# Altium PCB PCB3.PcbDoc (part 2 of 5)
Units mil, origin at the board's own origin, x right, y up, seen from the top; angles counter-clockwise.
Board outline 9836.17 x 5490 mil, 4 copper layers (Top Layer, Int1 (GND), Int2 (PWR), Bottom Layer), stack 53.912 mil thick; 236 components, 108 nets, 2793 pads, 569 vias.
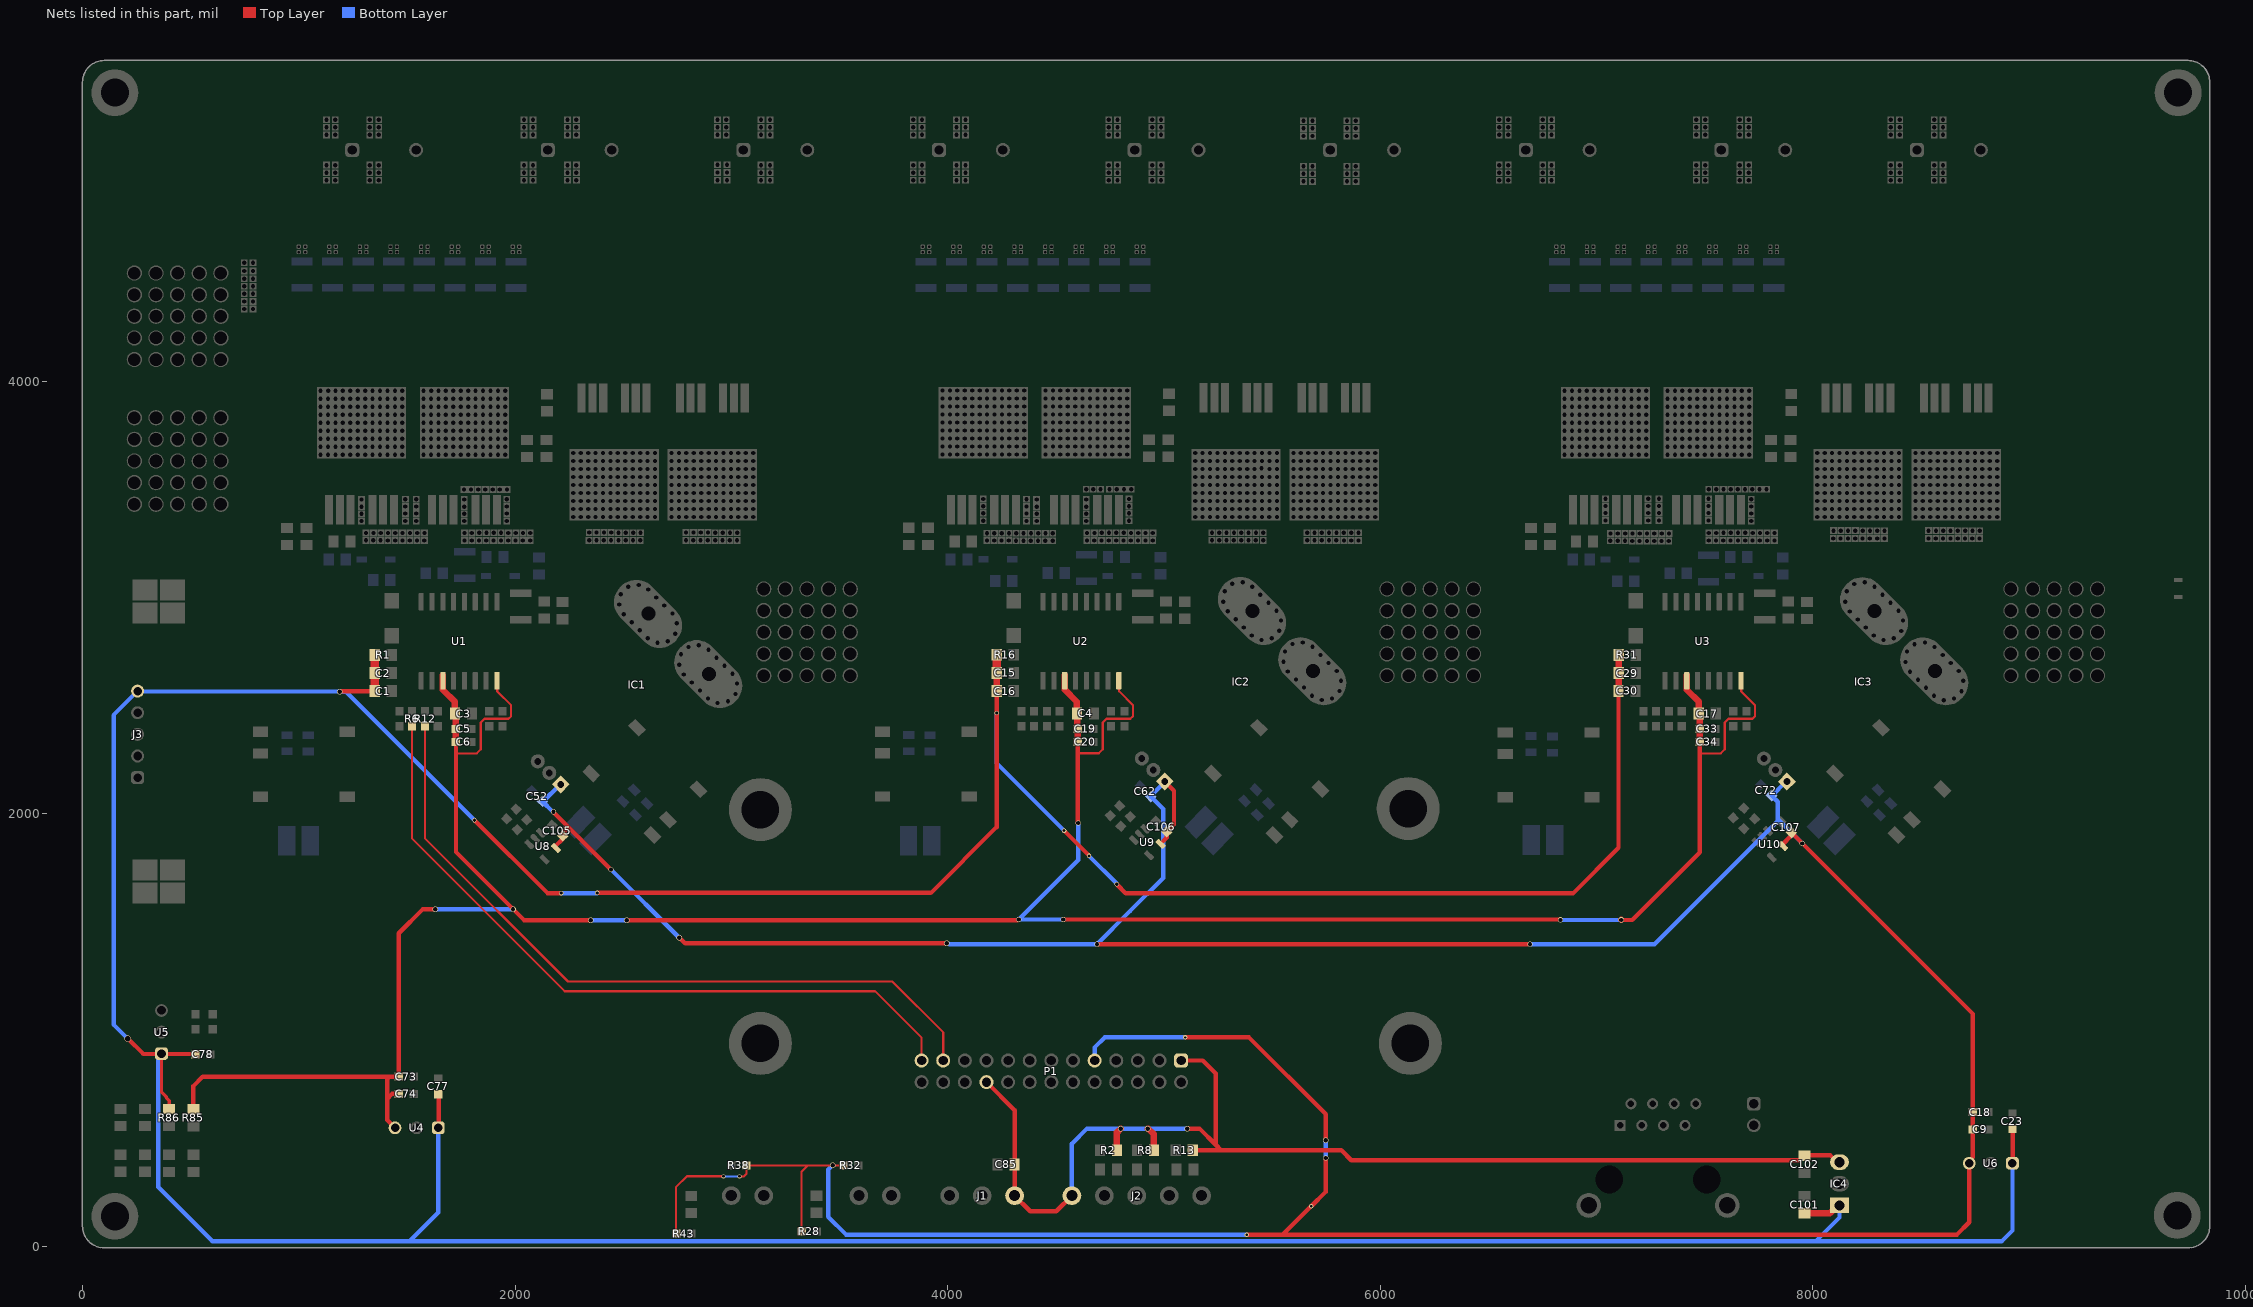
[diagram p4: the nets of this part, all layers, seen from the top]

## Free pads (board coordinates)
  rrect50% 19.68x19.68 hole 11.81 mask+4: 2(1000,4598) 2(1000,4623) 2(1030,4598) 2(1030,4623) 2(1141.43,4598) 2(1141.43,4623) 2(1171.43,4598) 2(1171.43,4623) 2(1282.86,4598) 2(1282.86,4623) 2(1312.86,4598) 2(1312.86,4623) 2(1424.29,4598) 2(1424.29,4623) 2(1454.29,4598) 2(1454.29,4623) 2(1565.71,4598) 2(1565.71,4623) 2(1595.71,4598) 2(1595.71,4623) 2(1707.14,4598) 2(1707.14,4623) 2(1737.14,4598) 2(1737.14,4623) 2(1848.57,4598) 2(1848.57,4623) 2(1878.57,4598) 2(1878.57,4623) 2(1990,4598) 2(1990,4623) 2(2020,4598) 2(2020,4623) 2(3885,4598) 2(3885,4623) 2(3915,4598) 2(3915,4623) 2(4026.43,4598) 2(4026.43,4623) 2(4056.43,4598) 2(4056.43,4623) 2(4167.86,4598) 2(4167.86,4623) 2(4197.86,4598) 2(4197.86,4623) 2(4309.29,4598) 2(4309.29,4623) 2(4339.29,4598) 2(4339.29,4623) 2(4450.71,4598) 2(4450.71,4623) 2(4480.71,4598) 2(4480.71,4623) 2(4592.14,4598) 2(4592.14,4623) 2(4622.14,4598) 2(4622.14,4623) 2(4733.57,4598) 2(4733.57,4623) 2(4763.57,4598) 2(4763.57,4623) 2(4875,4598) 2(4875,4623) 2(4905,4598) 2(4905,4623) 2(6815,4598) 2(6815,4623) 2(6845,4598) 2(6845,4623) 2(6956.43,4598) 2(6956.43,4623) 2(6986.43,4598) 2(6986.43,4623) 2(7097.86,4598) 2(7097.86,4623) 2(7127.86,4598) 2(7127.86,4623) 2(7239.29,4598) 2(7239.29,4623) 2(7269.29,4598) 2(7269.29,4623) 2(7380.71,4598) 2(7380.71,4623) 2(7410.71,4598) 2(7410.71,4623) 2(7522.14,4598) 2(7522.14,4623) 2(7552.14,4598) 2(7552.14,4623) 2(7663.57,4598) 2(7663.57,4623) 2(7693.57,4598) 2(7693.57,4623) 2(7805,4598) 2(7805,4623) 2(7835,4598) 2(7835,4623)
  rect 31.5x31.5 hole 19.68: 3(748,4335) 3(748,4370) 3(748,4405) 3(748,4440) 3(748,4475) 3(748,4510) 3(748,4549) 3(789,4335) 3(789,4370) 3(789,4405) 3(789,4440) 3(789,4475) 3(789,4510) 3(789,4549) 3(1101,3661) 3(1101,3698) 3(1101,3735) 3(1101,3772) 3(1101,3809) 3(1101,3846) 3(1101,3883) 3(1101,3920) 3(1128,4930) 3(1128,4965) 3(1128,5000) 3(1128,5140) 3(1128,5175) 3(1128,5210) 3(1135.36,3661) 3(1135.36,3698) 3(1135.36,3735) 3(1135.36,3772) 3(1135.36,3809) 3(1135.36,3846) 3(1135.36,3883) 3(1135.36,3920) 3(1136,3957) 3(1169,4930) 3(1169,4965) 3(1169,5000) 3(1169,5140) 3(1169,5175) 3(1169,5210) 3(1169.73,3661) 3(1169.73,3698) 3(1169.73,3735) 3(1169.73,3772) 3(1169.73,3809) 3(1169.73,3846) 3(1169.73,3883) 3(1169.73,3920) 3(1169.73,3957) 3(1204.09,3661) 3(1204.09,3698) 3(1204.09,3735) 3(1204.09,3772) 3(1204.09,3809) 3(1204.09,3846) 3(1204.09,3883) 3(1204.09,3920) 3(1204.09,3957) 3(1238.45,3661) 3(1238.45,3698) 3(1238.45,3735) 3(1238.45,3772) 3(1238.45,3809) 3(1238.45,3846) 3(1238.45,3883) 3(1238.45,3920) 3(1238.45,3957) 3(1272.82,3661) 3(1272.82,3698) 3(1272.82,3735) 3(1272.82,3772) 3(1272.82,3809) 3(1272.82,3846) 3(1272.82,3883) 3(1272.82,3920) 3(1272.82,3957) 3(1307.18,3661) 3(1307.18,3698) 3(1307.18,3735) 3(1307.18,3772) 3(1307.18,3809) 3(1307.18,3846) 3(1307.18,3883) 3(1307.18,3920) 3(1307.18,3957) 3(1328.72,4930) 3(1328.72,4965) 3(1328.72,5000) 3(1328.72,5140) 3(1328.72,5175) 3(1328.72,5210) 3(1341.55,3661) 3(1341.55,3698) 3(1341.55,3735) 3(1341.55,3772) 3(1341.55,3809) 3(1341.55,3846) 3(1341.55,3883) 3(1341.55,3920) 3(1341.55,3957) 3(1369.72,4930) 3(1369.72,4965) 3(1369.72,5000) 3(1369.72,5140) 3(1369.72,5175) 3(1369.72,5210) 3(1375.91,3661) 3(1375.91,3698) 3(1375.91,3735) 3(1375.91,3772) 3(1375.91,3809) 3(1375.91,3846) 3(1375.91,3883) 3(1375.91,3920) 3(1375.91,3957) 3(1410.27,3661) 3(1410.27,3698) 3(1410.27,3735) 3(1410.27,3772) 3(1410.27,3809) 3(1410.27,3846) 3(1410.27,3883) 3(1410.27,3920) 3(1410.27,3957) 3(1444.64,3661) 3(1444.64,3698) 3(1444.64,3735) 3(1444.64,3772) 3(1444.64,3809) 3(1444.64,3846) 3(1444.64,3883) 3(1444.64,3920) 3(1444.64,3957) 3(1479,3661) 3(1479,3698) 3(1479,3735) 3(1479,3772) 3(1479,3809) 3(1479,3846) 3(1479,3883) 3(1479,3920) 3(1479,3957) 3(1577.2,3661) 3(1577.2,3698) 3(1577.2,3735) 3(1577.2,3772) 3(1577.2,3809) 3(1577.2,3846) 3(1577.2,3883) 3(1577.2,3920) 3(1577.2,3957) 3(1611.57,3661) 3(1611.57,3698) 3(1611.57,3735) 3(1611.57,3772) 3(1611.57,3809) 3(1611.57,3846) 3(1611.57,3883) 3(1611.57,3920) 3(1612.2,3957) 3(1645.93,3661) 3(1645.93,3698) 3(1645.93,3735) 3(1645.93,3772) 3(1645.93,3809) 3(1645.93,3846) 3(1645.93,3883) 3(1645.93,3920) 3(1645.93,3957) 3(1680.29,3661) 3(1680.29,3698) 3(1680.29,3735) 3(1680.29,3772) 3(1680.29,3809) 3(1680.29,3846) 3(1680.29,3883) 3(1680.29,3920) 3(1680.29,3957) 3(1714.66,3661) 3(1714.66,3698) 3(1714.66,3735) 3(1714.66,3772) 3(1714.66,3809) 3(1714.66,3846) 3(1714.66,3883) 3(1714.66,3920) 3(1714.66,3957) 3(1749.02,3661) 3(1749.02,3698) 3(1749.02,3735) 3(1749.02,3772) 3(1749.02,3809) 3(1749.02,3846) 3(1749.02,3883) 3(1749.02,3920) 3(1749.02,3957) 3(1783.38,3661) 3(1783.38,3698) 3(1783.38,3735) 3(1783.38,3772) 3(1783.38,3809) 3(1783.38,3846) 3(1783.38,3883) 3(1783.38,3920) 3(1783.38,3957) 3(1817.75,3661) 3(1817.75,3698) 3(1817.75,3735) 3(1817.75,3772) 3(1817.75,3809) 3(1817.75,3846) 3(1817.75,3883) 3(1817.75,3920) 3(1817.75,3957) 3(1852.11,3661) 3(1852.11,3698) 3(1852.11,3735) 3(1852.11,3772) 3(1852.11,3809) 3(1852.11,3846) 3(1852.11,3883) 3(1852.11,3920) 3(1852.11,3957) 3(1886.48,3661) 3(1886.48,3698) 3(1886.48,3735) 3(1886.48,3772) 3(1886.48,3809) 3(1886.48,3846) 3(1886.48,3883) 3(1886.48,3920) 3(1886.48,3957) 3(1920.84,3661) 3(1920.84,3698) 3(1920.84,3735) 3(1920.84,3772) 3(1920.84,3809) 3(1920.84,3846) 3(1920.84,3883) 3(1920.84,3920) 3(1920.84,3957) 3(1955.2,3661) 3(1955.2,3698) 3(1955.2,3735) 3(1955.2,3772) 3(1955.2,3809) 3(1955.2,3846) 3(1955.2,3883) 3(1955.2,3920) 3(1955.2,3957) 3(2042,4930) 3(2042,4965) 3(2042,5000) 3(2042,5140) 3(2042,5175) 3(2042,5210) 3(2083,4930) 3(2083,4965) 3(2083,5000) 3(2083,5140) 3(2083,5175) 3(2083,5210) 3(2242.72,4930) 3(2242.72,4965) 3(2242.72,5000) 3(2242.72,5140) 3(2242.72,5175) 3(2242.72,5210) 3(2269.38,3372.99) 3(2269.38,3409.99) 3(2269.38,3446.99) 3(2269.38,3483.99) 3(2269.38,3520.99) 3(2269.38,3557.99) 3(2269.38,3594.99) 3(2269.38,3631.99) 3(2269.38,3668.99) 3(2283.72,4930) 3(2283.72,4965) 3(2283.72,5000) 3(2283.72,5140) 3(2283.72,5175) 3(2283.72,5210) 3(2303.75,3372.99) 3(2303.75,3409.99) 3(2303.75,3446.99) 3(2303.75,3483.99) 3(2303.75,3520.99) 3(2303.75,3557.99) 3(2303.75,3594.99) 3(2303.75,3631.99) 3(2303.75,3668.99) 3(2338.11,3372.99) 3(2338.11,3409.99) 3(2338.11,3446.99) 3(2338.11,3483.99) 3(2338.11,3520.99) 3(2338.11,3557.99) 3(2338.11,3594.99) 3(2338.11,3631.99) 3(2338.11,3668.99) 3(2372.47,3372.99) 3(2372.47,3409.99) 3(2372.47,3446.99) 3(2372.47,3483.99) 3(2372.47,3520.99) 3(2372.47,3557.99) 3(2372.47,3594.99) 3(2372.47,3631.99) 3(2372.47,3668.99) 3(2406.84,3372.99) 3(2406.84,3409.99) 3(2406.84,3446.99) 3(2406.84,3483.99) 3(2406.84,3520.99) 3(2406.84,3557.99) 3(2406.84,3594.99) 3(2406.84,3631.99) 3(2406.84,3668.99) 3(2441.2,3372.99) 3(2441.2,3409.99) 3(2441.2,3446.99) 3(2441.2,3483.99) 3(2441.2,3520.99) 3(2441.2,3557.99) 3(2441.2,3594.99) 3(2441.2,3631.99) 3(2441.2,3668.99) 3(2475.56,3372.99) 3(2475.56,3409.99) 3(2475.56,3446.99) 3(2475.56,3483.99) 3(2475.56,3520.99) 3(2475.56,3557.99) 3(2475.56,3594.99) 3(2475.56,3631.99) 3(2475.56,3668.99) 3(2509.93,3372.99) 3(2509.93,3409.99) 3(2509.93,3446.99) 3(2509.93,3483.99) 3(2509.93,3520.99) 3(2509.93,3557.99) 3(2509.93,3594.99) 3(2509.93,3631.99) 3(2509.93,3668.99) 3(2544.29,3372.99) 3(2544.29,3409.99) 3(2544.29,3446.99) 3(2544.29,3483.99) 3(2544.29,3520.99) 3(2544.29,3557.99) 3(2544.29,3594.99) 3(2544.29,3631.99) 3(2544.29,3668.99) 3(2578.65,3372.99) 3(2578.65,3409.99) 3(2578.65,3446.99) 3(2578.65,3483.99) 3(2578.65,3520.99) 3(2578.65,3557.99) 3(2578.65,3594.99) 3(2578.65,3631.99) 3(2578.65,3668.99) 3(2612.38,3372.99) 3(2613.02,3409.99) 3(2613.02,3446.99) 3(2613.02,3483.99) 3(2613.02,3520.99) 3(2613.02,3557.99) 3(2613.02,3594.99) 3(2613.02,3631.99) 3(2613.02,3668.99) 3(2647.38,3372.99) 3(2647.38,3409.99) 3(2647.38,3446.99) 3(2647.38,3483.99) 3(2647.38,3520.99) 3(2647.38,3557.99) 3(2647.38,3594.99) 3(2647.38,3631.99) 3(2647.38,3668.99) 3(2723.55,3372.99) 3(2723.55,3409.99) 3(2723.55,3446.99) 3(2723.55,3483.99) 3(2723.55,3520.99) 3(2723.55,3557.99) 3(2723.55,3594.99) 3(2723.55,3631.99) 3(2723.55,3668.99) 3(2757.91,3372.99) 3(2757.91,3409.99) 3(2757.91,3446.99) 3(2757.91,3483.99) 3(2757.91,3520.99) 3(2757.91,3557.99) 3(2757.91,3594.99) 3(2757.91,3631.99) 3(2757.91,3668.99) 3(2792.27,3372.99) 3(2792.27,3409.99) 3(2792.27,3446.99) 3(2792.27,3483.99) 3(2792.27,3520.99) 3(2792.27,3557.99) 3(2792.27,3594.99) 3(2792.27,3631.99) 3(2792.27,3668.99) 3(2826.64,3372.99) 3(2826.64,3409.99) 3(2826.64,3446.99) 3(2826.64,3483.99) 3(2826.64,3520.99) 3(2826.64,3557.99) 3(2826.64,3594.99) 3(2826.64,3631.99) 3(2826.64,3668.99) 3(2861,3372.99) 3(2861,3409.99) 3(2861,3446.99) 3(2861,3483.99) 3(2861,3520.99) 3(2861,3557.99) 3(2861,3594.99) 3(2861,3631.99) 3(2861,3668.99) 3(2895.37,3372.99) 3(2895.37,3409.99) 3(2895.37,3446.99) 3(2895.37,3483.99) 3(2895.37,3520.99) 3(2895.37,3557.99) 3(2895.37,3594.99) 3(2895.37,3631.99) 3(2895.37,3668.99) 3(2929.73,3372.99) 3(2929.73,3409.99) 3(2929.73,3446.99) 3(2929.73,3483.99) 3(2929.73,3520.99) 3(2929.73,3557.99) 3(2929.73,3594.99) 3(2929.73,3631.99) 3(2929.73,3668.99) 3(2936,4930) 3(2936,4966) 3(2936,5002) 3(2936,5140) 3(2936,5175) 3(2936,5210) 3(2964.09,3372.99) 3(2964.09,3409.99) 3(2964.09,3446.99) 3(2964.09,3483.99) 3(2964.09,3520.99) 3(2964.09,3557.99) 3(2964.09,3594.99) 3(2964.09,3631.99) 3(2964.09,3668.99) 3(2977,5140) 3(2977,5175) 3(2977,5210) 3(2980,4930) 3(2980,4966) 3(2980,5002) 3(2998.46,3372.99) 3(2998.46,3409.99) 3(2998.46,3446.99) 3(2998.46,3483.99) 3(2998.46,3520.99) 3(2998.46,3557.99) 3(2998.46,3594.99) 3(2998.46,3631.99) 3(2998.46,3668.99) 3(3032.82,3372.99) 3(3032.82,3409.99) 3(3032.82,3446.99) 3(3032.82,3483.99) 3(3032.82,3520.99) 3(3032.82,3557.99) 3(3032.82,3594.99) 3(3032.82,3631.99) 3(3032.82,3668.99) 3(3066.55,3372.99) 3(3067.18,3409.99) 3(3067.18,3446.99) 3(3067.18,3483.99) 3(3067.18,3520.99) 3(3067.18,3557.99) 3(3067.18,3594.99) 3(3067.18,3631.99) 3(3067.18,3668.99) 3(3101.55,3372.99) 3(3101.55,3409.99) 3(3101.55,3446.99) 3(3101.55,3483.99) 3(3101.55,3520.99) 3(3101.55,3557.99) 3(3101.55,3594.99) 3(3101.55,3631.99) 3(3101.55,3668.99) 3(3137.72,4930) 3(3137.72,4965) 3(3137.72,5000) 3(3137.72,5140) 3(3137.72,5175) 3(3137.72,5210) 3(3178.72,4930) 3(3178.72,4965) 3(3178.72,5000) 3(3178.72,5140) 3(3178.72,5175) 3(3178.72,5210) 3(3841,4930) 3(3841,4965) 3(3841,5000) 3(3841,5140) 3(3841,5175) 3(3841,5210) 3(3882,4930) 3(3882,4965) 3(3882,5000) 3(3882,5140) 3(3882,5175) 3(3882,5210) 3(4041.72,4930) 3(4041.72,4965) 3(4041.72,5000) 3(4041.72,5140) 3(4041.72,5175) 3(4041.72,5210) 3(4082.72,4930) 3(4082.72,4965) 3(4082.72,5000) 3(4082.72,5140) 3(4082.72,5175) 3(4082.72,5210) 3(4745.28,4930) 3(4745.28,4965) 3(4745.28,5000) 3(4745.28,5140) 3(4745.28,5175) 3(4745.28,5210) 3(4786.28,4930) 3(4786.28,4965) 3(4786.28,5000) 3(4786.28,5140) 3(4786.28,5175) 3(4786.28,5210) 3(4946,4930) 3(4946,4965) 3(4946,5000) 3(4946,5140) 3(4946,5175) 3(4946,5210) 3(4987,4930) 3(4987,4965) 3(4987,5000) 3(4987,5140) 3(4987,5175) 3(4987,5210) 3(5144.88,3373.49) 3(5144.88,3410.49) 3(5144.88,3447.49) 3(5144.88,3484.49) 3(5144.88,3521.49) 3(5144.88,3558.49) 3(5144.88,3595.49) 3(5144.88,3632.49) 3(5144.88,3669.49) 3(5179.25,3373.49) 3(5179.25,3410.49) 3(5179.25,3447.49) 3(5179.25,3484.49) 3(5179.25,3521.49) 3(5179.25,3558.49) 3(5179.25,3595.49) 3(5179.25,3632.49) 3(5179.25,3669.49) 3(5213.61,3373.49) 3(5213.61,3410.49) 3(5213.61,3447.49) 3(5213.61,3484.49) 3(5213.61,3521.49) 3(5213.61,3558.49) 3(5213.61,3595.49) 3(5213.61,3632.49) 3(5213.61,3669.49) 3(5247.97,3373.49) 3(5247.97,3410.49) 3(5247.97,3447.49) 3(5247.97,3484.49) 3(5247.97,3521.49) 3(5247.97,3558.49) 3(5247.97,3595.49) 3(5247.97,3632.49) 3(5247.97,3669.49) 3(5282.34,3373.49) 3(5282.34,3410.49) 3(5282.34,3447.49) 3(5282.34,3484.49) 3(5282.34,3521.49) 3(5282.34,3558.49) 3(5282.34,3595.49) 3(5282.34,3632.49) 3(5282.34,3669.49) 3(5316.7,3373.49) 3(5316.7,3410.49) 3(5316.7,3447.49) 3(5316.7,3484.49) 3(5316.7,3521.49) 3(5316.7,3558.49) 3(5316.7,3595.49) 3(5316.7,3632.49) 3(5316.7,3669.49) 3(5351.06,3373.49) 3(5351.06,3410.49) 3(5351.06,3447.49) 3(5351.06,3484.49) 3(5351.06,3521.49) 3(5351.06,3558.49) 3(5351.06,3595.49) 3(5351.06,3632.49) 3(5351.06,3669.49) 3(5385.43,3373.49) 3(5385.43,3410.49) 3(5385.43,3447.49) 3(5385.43,3484.49) 3(5385.43,3521.49) 3(5385.43,3558.49) 3(5385.43,3595.49) 3(5385.43,3632.49) 3(5385.43,3669.49) 3(5419.79,3373.49) 3(5419.79,3410.49) 3(5419.79,3447.49) 3(5419.79,3484.49) 3(5419.79,3521.49) 3(5419.79,3558.49) 3(5419.79,3595.49) 3(5419.79,3632.49) 3(5419.79,3669.49) 3(5452,3599) 3(5454.15,3373.49) 3(5454.15,3410.49) 3(5454.15,3447.49) 3(5454.15,3484.49) 3(5454.15,3521.49) 3(5454.15,3558.49) 3(5454.15,3632.49) 3(5454.15,3669.49) 3(5487.88,3373.49) 3(5488.52,3410.49) 3(5488.52,3447.49) 3(5488.52,3484.49) 3(5488.52,3521.49) 3(5488.52,3558.49) 3(5488.52,3595.49) 3(5488.52,3632.49) 3(5488.52,3669.49) 3(5522.88,3373.49) 3(5522.88,3410.49) 3(5522.88,3447.49) 3(5522.88,3484.49) 3(5522.88,3521.49) 3(5522.88,3558.49) 3(5522.88,3595.49) 3(5522.88,3632.49) 3(5522.88,3669.49) 3(5599.05,3373.49) 3(5599.05,3410.49) 3(5599.05,3447.49) 3(5599.05,3484.49) 3(5599.05,3521.49) 3(5599.05,3558.49) 3(5599.05,3595.49) 3(5599.05,3632.49) 3(5599.05,3669.49) 3(5633.41,3373.49) 3(5633.41,3410.49) 3(5633.41,3447.49) 3(5633.41,3484.49) 3(5633.41,3521.49) 3(5633.41,3558.49) 3(5633.41,3595.49) 3(5633.41,3632.49) 3(5633.41,3669.49) 3(5646.28,4925) 3(5646.28,4960) 3(5646.28,4995) 3(5646.28,5135) 3(5646.28,5170) 3(5646.28,5205) 3(5667.77,3373.49) 3(5667.77,3410.49) 3(5667.77,3447.49) 3(5667.77,3484.49) 3(5667.77,3521.49) 3(5667.77,3558.49) 3(5667.77,3595.49) 3(5667.77,3632.49) 3(5667.77,3669.49) 3(5687.28,4925) 3(5687.28,4960) 3(5687.28,4995) 3(5687.28,5135) 3(5687.28,5170) 3(5687.28,5205) 3(5702.14,3373.49) 3(5702.14,3410.49) 3(5702.14,3447.49) 3(5702.14,3484.49) 3(5702.14,3521.49) 3(5702.14,3558.49) 3(5702.14,3595.49) 3(5702.14,3632.49) 3(5702.14,3669.49) 3(5736.5,3373.49) 3(5736.5,3410.49) 3(5736.5,3447.49) 3(5736.5,3484.49) 3(5736.5,3521.49) 3(5736.5,3558.49) 3(5736.5,3595.49) 3(5736.5,3632.49) 3(5736.5,3669.49) 3(5770.87,3373.49) 3(5770.87,3410.49) 3(5770.87,3447.49) 3(5770.87,3484.49) 3(5770.87,3521.49) 3(5770.87,3558.49) 3(5770.87,3595.49) 3(5770.87,3632.49) 3(5770.87,3669.49) 3(5805.23,3373.49) 3(5805.23,3410.49) 3(5805.23,3447.49) 3(5805.23,3484.49) 3(5805.23,3521.49) 3(5805.23,3558.49) 3(5805.23,3595.49) 3(5805.23,3632.49) 3(5805.23,3669.49) 3(5839.59,3373.49) 3(5839.59,3410.49) 3(5839.59,3447.49) 3(5839.59,3484.49) 3(5839.59,3521.49) 3(5839.59,3558.49) 3(5839.59,3595.49) 3(5839.59,3632.49) 3(5839.59,3669.49) 3(5847,4925) 3(5847,4960) 3(5847,4995) 3(5847,5135) 3(5847,5170) 3(5847,5205) 3(5873.96,3373.49) 3(5873.96,3410.49) 3(5873.96,3447.49) 3(5873.96,3484.49) 3(5873.96,3521.49) 3(5873.96,3558.49) 3(5873.96,3595.49) 3(5873.96,3632.49) 3(5873.96,3669.49) 3(5888,4925) 3(5888,4960) 3(5888,4995) 3(5888,5135) 3(5888,5170) 3(5888,5205) 3(5908.32,3373.49) 3(5908.32,3410.49) 3(5908.32,3447.49) 3(5908.32,3484.49) 3(5908.32,3521.49) 3(5908.32,3558.49) 3(5908.32,3595.49) 3(5908.32,3632.49) 3(5908.32,3669.49) 3(5942.05,3373.49) 3(5942.68,3410.49) 3(5942.68,3447.49) 3(5942.68,3484.49) 3(5942.68,3521.49) 3(5942.68,3558.49) 3(5942.68,3595.49) 3(5942.68,3632.49) 3(5942.68,3669.49) 3(5977.05,3373.49) 3(5977.05,3410.49) 3(5977.05,3447.49) 3(5977.05,3484.49) 3(5977.05,3521.49) 3(5977.05,3558.49) 3(5977.05,3595.49) 3(5977.05,3632.49) 3(5977.05,3669.49) 3(6551.28,4930) 3(6551.28,4965) 3(6551.28,5000) 3(6551.28,5140) 3(6551.28,5175) 3(6551.28,5210) 3(6592.28,4930) 3(6592.28,4965) 3(6592.28,5000) 3(6592.28,5140) 3(6592.28,5175) 3(6592.28,5210) 3(6752,4930) 3(6752,4965) 3(6752,5000) 3(6752,5140) 3(6752,5175) 3(6752,5210) 3(6793,4930) 3(6793,4965) 3(6793,5000) 3(6793,5140) 3(6793,5175) 3(6793,5210) 3(6852.72,3661) 3(6852.72,3698) 3(6852.72,3735) 3(6852.72,3772) 3(6852.72,3809) 3(6852.72,3846) 3(6852.72,3883) 3(6852.72,3920) 3(6852.72,3957) 3(6887.09,3661) 3(6887.09,3698) 3(6887.09,3735) 3(6887.09,3772) 3(6887.09,3809) 3(6887.09,3846) 3(6887.09,3883) 3(6887.09,3920) 3(6887.72,3957) 3(6921.45,3661) 3(6921.45,3698) 3(6921.45,3735) 3(6921.45,3772) 3(6921.45,3809) 3(6921.45,3846) 3(6921.45,3883) 3(6921.45,3920) 3(6921.45,3957) 3(6955.81,3661) 3(6955.81,3698) 3(6955.81,3735) 3(6955.81,3772) 3(6955.81,3809) 3(6955.81,3846) 3(6955.81,3883) 3(6955.81,3920) 3(6955.81,3957) 3(6990.18,3661) 3(6990.18,3698) 3(6990.18,3735) 3(6990.18,3772) 3(6990.18,3809) 3(6990.18,3846) 3(6990.18,3883) 3(6990.18,3920) 3(6990.18,3957) 3(7024.54,3661) 3(7024.54,3698) 3(7024.54,3735) 3(7024.54,3772) 3(7024.54,3809) 3(7024.54,3846) 3(7024.54,3883) 3(7024.54,3920) 3(7024.54,3957) 3(7058.91,3661) 3(7058.91,3698) 3(7058.91,3735) 3(7058.91,3772) 3(7058.91,3809) 3(7058.91,3846) 3(7058.91,3883) 3(7058.91,3920) 3(7058.91,3957) 3(7093.27,3661) 3(7093.27,3698) 3(7093.27,3735) 3(7093.27,3772) 3(7093.27,3809) 3(7093.27,3846) 3(7093.27,3883) 3(7093.27,3920) 3(7093.27,3957) 3(7127.63,3661) 3(7127.63,3698) 3(7127.63,3735) 3(7127.63,3772) 3(7127.63,3809) 3(7127.63,3846) 3(7127.63,3883) 3(7127.63,3920) 3(7127.63,3957) 3(7162,3661) 3(7162,3698) 3(7162,3735) 3(7162,3772) 3(7162,3809) 3(7162,3846) 3(7162,3883) 3(7162,3920) 3(7162,3957) 3(7196.36,3661) 3(7196.36,3698) 3(7196.36,3735) 3(7196.36,3772) 3(7196.36,3809) 3(7196.36,3846) 3(7196.36,3883) 3(7196.36,3920) 3(7196.36,3957) 3(7230.72,3661) 3(7230.72,3698) 3(7230.72,3735) 3(7230.72,3772) 3(7230.72,3809) 3(7230.72,3846) 3(7230.72,3883) 3(7230.72,3920) 3(7230.72,3957) 3(7328.93,3661) 3(7328.93,3698) 3(7328.93,3735) 3(7328.93,3772) 3(7328.93,3809) 3(7328.93,3846) 3(7328.93,3883) 3(7328.93,3920) 3(7328.93,3957) 3(7363.29,3661) 3(7363.29,3698) 3(7363.29,3735) 3(7363.29,3772) 3(7363.29,3809) 3(7363.29,3846) 3(7363.29,3883) 3(7363.29,3920) 3(7363.93,3957) 3(7397.65,3661) 3(7397.65,3698) 3(7397.65,3735) 3(7397.65,3772) 3(7397.65,3809) 3(7397.65,3846) 3(7397.65,3883) 3(7397.65,3920) 3(7397.65,3957) 3(7432.02,3661) 3(7432.02,3698) 3(7432.02,3735) 3(7432.02,3772) 3(7432.02,3809) 3(7432.02,3846) 3(7432.02,3883) 3(7432.02,3920) 3(7432.02,3957) 3(7462.28,4930) 3(7462.28,4965) 3(7462.28,5000) 3(7462.28,5140) 3(7462.28,5175) 3(7462.28,5210) 3(7466.38,3661) 3(7466.38,3698) 3(7466.38,3735) 3(7466.38,3772) 3(7466.38,3809) 3(7466.38,3846) 3(7466.38,3883) 3(7466.38,3920) 3(7466.38,3957) 3(7500.75,3661) 3(7500.75,3698) 3(7500.75,3735) 3(7500.75,3772) 3(7500.75,3809) 3(7500.75,3846) 3(7500.75,3883) 3(7500.75,3920) 3(7500.75,3957) 3(7503.28,4930) 3(7503.28,4965) 3(7503.28,5000) 3(7503.28,5140) 3(7503.28,5175) 3(7503.28,5210) 3(7535.11,3661) 3(7535.11,3698) 3(7535.11,3735) 3(7535.11,3772) 3(7535.11,3809) 3(7535.11,3846) 3(7535.11,3883) 3(7535.11,3920) 3(7535.11,3957) 3(7569.47,3661) 3(7569.47,3698) 3(7569.47,3735) 3(7569.47,3772) 3(7569.47,3809) 3(7569.47,3846) 3(7569.47,3883) 3(7569.47,3920) 3(7569.47,3957) 3(7603.84,3661) 3(7603.84,3698) 3(7603.84,3735) 3(7603.84,3772) 3(7603.84,3809) 3(7603.84,3846) 3(7603.84,3883) 3(7603.84,3920) 3(7603.84,3957) 3(7638.2,3661) 3(7638.2,3698) 3(7638.2,3735) 3(7638.2,3772) 3(7638.2,3809) 3(7638.2,3846) 3(7638.2,3883) 3(7638.2,3920) 3(7638.2,3957) 3(7663,4930) 3(7663,4965) 3(7663,5000) 3(7663,5140) 3(7663,5175) 3(7663,5210) 3(7672.56,3661) 3(7672.56,3698) 3(7672.56,3735) 3(7672.56,3772) 3(7672.56,3809) 3(7672.56,3846) 3(7672.56,3883) 3(7672.56,3920) 3(7672.56,3957) 3(7704,4930) 3(7704,4965) 3(7704,5000) 3(7704,5140) 3(7704,5175) 3(7704,5210) 3(7706.93,3661) 3(7706.93,3698) 3(7706.93,3735) 3(7706.93,3772) 3(7706.93,3809) 3(7706.93,3846) 3(7706.93,3883) 3(7706.93,3920) 3(7706.93,3957) 3(8021.11,3372.99) 3(8021.11,3409.99) 3(8021.11,3446.99) 3(8021.11,3483.99) 3(8021.11,3520.99) 3(8021.11,3557.99) 3(8021.11,3594.99) 3(8021.11,3631.99) 3(8021.11,3668.99) 3(8055.47,3372.99) 3(8055.47,3409.99) 3(8055.47,3446.99) 3(8055.47,3483.99) 3(8055.47,3520.99) 3(8055.47,3557.99) 3(8055.47,3594.99) 3(8055.47,3631.99) 3(8055.47,3668.99) 3(8089.83,3372.99) 3(8089.83,3409.99) 3(8089.83,3446.99) 3(8089.83,3483.99) 3(8089.83,3520.99) 3(8089.83,3557.99) 3(8089.83,3594.99) 3(8089.83,3631.99) 3(8089.83,3668.99) 3(8124.2,3372.99) 3(8124.2,3409.99) 3(8124.2,3446.99) 3(8124.2,3483.99) 3(8124.2,3520.99) 3(8124.2,3557.99) 3(8124.2,3594.99) 3(8124.2,3631.99) 3(8124.2,3668.99) 3(8158.56,3372.99) 3(8158.56,3409.99) 3(8158.56,3446.99) 3(8158.56,3483.99) 3(8158.56,3520.99) 3(8158.56,3557.99) 3(8158.56,3594.99) 3(8158.56,3631.99) 3(8158.56,3668.99) 3(8192.92,3372.99) 3(8192.92,3409.99) 3(8192.92,3446.99) 3(8192.92,3483.99) 3(8192.92,3520.99) 3(8192.92,3557.99) 3(8192.92,3594.99) 3(8192.92,3631.99) 3(8192.92,3668.99) 3(8227.29,3372.99) 3(8227.29,3409.99) 3(8227.29,3446.99) 3(8227.29,3483.99) 3(8227.29,3520.99) 3(8227.29,3557.99) 3(8227.29,3594.99) 3(8227.29,3631.99) 3(8227.29,3668.99) 3(8261.65,3372.99) 3(8261.65,3409.99) 3(8261.65,3446.99) 3(8261.65,3483.99) 3(8261.65,3520.99) 3(8261.65,3557.99) 3(8261.65,3594.99) 3(8261.65,3631.99) 3(8261.65,3668.99) 3(8296.01,3372.99) 3(8296.01,3409.99) 3(8296.01,3446.99) 3(8296.01,3483.99) 3(8296.01,3520.99) 3(8296.01,3557.99) 3(8296.01,3594.99) 3(8296.01,3631.99) 3(8296.01,3668.99) 3(8330.38,3372.99) 3(8330.38,3409.99) 3(8330.38,3446.99) 3(8330.38,3483.99) 3(8330.38,3520.99) 3(8330.38,3557.99) 3(8330.38,3594.99) 3(8330.38,3631.99) 3(8330.38,3668.99) 3(8361.28,4930) 3(8361.28,4965) 3(8361.28,5000) 3(8361.28,5140) 3(8361.28,5175) 3(8361.28,5210) 3(8364.11,3372.99) 3(8364.74,3409.99) 3(8364.74,3446.99) 3(8364.74,3483.99) 3(8364.74,3520.99) 3(8364.74,3557.99) 3(8364.74,3594.99) 3(8364.74,3631.99) 3(8364.74,3668.99) 3(8399.11,3372.99) 3(8399.11,3409.99) 3(8399.11,3446.99) 3(8399.11,3483.99) 3(8399.11,3520.99) 3(8399.11,3557.99) 3(8399.11,3594.99) 